# KiCad board Rogelio Pineda part 2v2-AMLDC-2044B.kicad_pcb (continued)
## Routing (per net, layer and track width the routed paths; a pad name or vN(x,y) marks a point on that pad's centre or on a via; arc(x,y) is an arc through that point) (continued)
K8p4: length 55.2
  Top w0.15: UK8.4 423.79,244.7 423.95,241.88 424.01,240.61 424.47,231.9 424.8,229.61 424.89,227.33 424.87,227.02 425.09,224.29 425.28,222.81 425.44,220.71 425.9,216.88 426.44,215.55 427.21,213.99 427.97,212.92 428.42,212.38 429.22,211.51 430.62,209.84 431.21,209.21 432.18,208.16 433.11,207.31 433.44,206.8 433.89,206.11 434.28,204.74 433.91,202.84 433.3,201.99 432.94,201.48 432.15,200.51 431.29,200.11 430.12,199.51 429.48,199.17 428.8,198.44 UM8.6
K8p13: length 5.3
  Top w0.15: UK8.13 418.45,252.74 418.3,252.17 418.11,251.27 417.96,250.84 417.51,249.63 417.23,249.11 417.23,249.11 v1(417.25,249.09) 417.23,249.07 417.23,248.93
L0p3: length 80.9
  Top w0.25: UL0.3 119.13,208.89 119.18,202.53 119.89,200.65 120.24,198.96 120.3,198.89 UM0.3 119.34,195.41 115.89,193.42 113.8,191.17 UN0.13 113.75,186.67 114.38,184.29 114.25,182.12 114.25,177.11 114.41,174.88 114.28,173.24 114.36,158.91 114.36,157.43 114.91,156.64 UP0.3 114.44,151.02 114.52,141.86 114.57,140.22 UR0.3
L0p6: length 80.1
  Top w0.25: UL0.6 127.71,211.97 126.74,208.3 126.8,202.47 126.96,201.66 127.26,200.23 127.92,198.6 UM0.6 127.41,195.24 122.41,190.81 122.18,190.5 121.87,189.7 121.58,183.69 120.82,181.91 UN0.5 121.69,176.64 121.99,173.61 121.88,158.48 122.45,157.11 UP0.6 122.41,151.88 121.8,149.12 121.83,149.09 121.83,142.04 122.14,140.25 UR0.6
L0p8: length 80.6
  Top w0.25: UR0.8 124.63,149.71 124.38,152.79 124.38,159.52 UP0.8 124.6,171.38 124.28,174.49 124.31,185.62 UN0.9 123,190.08 124.6,191.47 125.85,192.44 127.96,194.04 129.28,195.93 129.34,198.96 129.3,202.17 129.61,203.46 129.93,204.18 UM0.8 130.06,207.73 129.38,210.04 129.44,216.85 129.41,219.02 UL0.8
L0p10: length 7.6
  Top w0.25: UL0.10 UL0.5
L0p11: length 78.8
  Top w0.25: UL0.11 122.33,219.38 122.01,217.59 121.78,215.57 121.88,209.23 122.35,207.93 122.65,206.54 122.84,206.35 UM0.11 122.18,203.6 121.91,203.03 121.68,202.65 121.72,196.04 121.71,196.03 121.11,194.12 118.05,189.78 UN0.11 117.35,186.47 116.83,184.71 116.68,182.04 116.79,172.97 116.85,172.91 116.95,167.36 118,163.85 UP0.11 116.88,160.69 116.9,150.86 117.03,150.31 117.2,148.71 117.9,146.95 UR0.11
L0p13: length 7.7
  Top w0.25: UL0.13 117.87,218.86 117.95,218.78 117.87,218.7 UL0.2
L1p3: length 33.6
  Top w0.15: UN1.2 151.03,182.07 151.35,182.47 151.39,183.54 151.85,184.91 152.1,187.7 152.21,189.35 152.21,192.19 152.57,193.94 152.96,195.09 UM1.3 152.82,199.11 152.46,200.11 152.28,201.08 152.18,202.23 152.18,203.02 152.2,208.03 152.28,209.01 152.57,210.8 152.86,211.77 UL1.3
L1p10: length 50.4
  Top w0.15: 161.37,179.13 161.34,179.23 ; 161.34,179.23 161.15,179.71 UN1.6 ; 161.34,179.23 161.72,178.7 162.39,178.31 163.14,178.32 163.26,178.34 163.64,178.5 ; 159.59,216 159.08,218.98 158.69,220.11 UL1.10 ; 163.64,178.5 163.51,178.45 ; 163.64,178.5 164.14,178.75 164.81,179.68 164.61,183.66 164.64,184.5 164.58,190.33 163.74,192.11 162.73,193.34 162.18,195.41 162.12,199.43 162.02,199.52 161.96,200.62 161.21,201.47 159.69,203.44 UM1.10 158.69,206.29 159.2,207.88 159.59,209.66 159.72,211.18 159.57,216.16
L1p11: length 42.1
  Top w0.15: 154.62,191.25 154.71,190.59 154.71,187.4 154.61,187.31 154.61,184.94 ; 154.61,191.18 154.69,193.84 154.61,194.41 154.83,196.89 154.74,196.98 154.74,198.94 154.54,199.29 154.51,199.36 154.51,201.66 155.05,203.13 155.81,205.08 155.33,207.11 154.94,208.08 154.76,210.55 154.69,210.62 154.69,215.61 154.58,215.72 154.69,216.26 154.76,218.44 155.58,220.42 UL1.11 ; 154.61,185.08 154.51,183.83 153.86,182.54 153.24,181.88 UN1.3
L2p3: length 30.9
  Top w0.15: 199.83,193.23 v1(199.7,193.2) 198.07,193.46 195,193.56 192.42,193.56 190.94,194.11 189.89,195.04 189.29,195.94 UM2.1 189.22,199.95 189.58,201.59 189.91,203.09 189.91,204.62 189.96,204.68 189.96,207.39 190.04,207.46 190.95,209.32 191.31,209.88 193.07,211.97 193.37,213.66 UL2.3
L2p11: length 19
  Top w0.15: 196.7,229.86 196.57,227.18 196.37,224.8 196.27,224.28 UL2.11 ; 200.03,239 v1(200,239.1) 198.26,237.37 198.26,237.27 196.99,234.72 196.69,229.66
L3p3: length 78.6
  Top w0.15: UL3.3 233.97,213.84 233.54,212.68 233.2,211.97 232.82,210.58 232.75,209.82 232.76,206.62 ; UR3.3 233.67,139.37 233.55,139.62 233.05,141.38 232.86,142.28 232.79,143.38 232.76,144.75 232.82,147.23 232.79,148.34 232.99,152.09 233.9,154.41 UP3.3 233.49,156.88 232.75,158.47 232.64,160.87 232.73,161.87 232.74,162.92 232.73,163.34 232.73,169.57 232.7,169.6 232.77,180.22 232.86,182.66 232.93,184.13 232.98,185.25 232.19,187.77 UN3.13 231.53,188.39 231.82,190.22 232.05,191 232.82,193.03 233.21,194.06 233.94,196.39 233.9,196.43 UM3.3 233.77,198.6 233.43,198.93 233.04,200.01 232.76,201.37 232.76,206.77
L3p6: length 79.2
  Top w0.15: UR3.6 241.68,137.51 241.27,138.66 241.15,139.02 240.51,142.18 240.4,143.23 240.28,144.57 240.15,148.46 240.1,149.82 240.37,151.93 240.75,153.45 UP3.6 241.62,156.08 241.07,157.08 240.54,158.86 240.28,159.89 240.11,162.45 240.19,162.87 240.25,172.61 240.29,174.34 240.21,176.71 239.92,177.56 239.75,178.51 239.45,179.3 UN3.5 239.36,182.14 239.61,182.92 239.91,183.79 240.27,184.7 240.34,184.94 240.25,185.99 240.21,187.99 240.28,189.88 240.28,189.52 240.26,193.95 240.89,195.8 UM3.6 241.52,198.14 240.88,198.58 240.37,200.34 240.34,200.37 240.27,203.09 240.18,204.14 240.28,205.8 240.22,207.38 240.21,210.41 240.97,212.38 UL3.6
L3p8: length 78.2
  Top w0.15: UR3.8 243.89,146.95 243.13,149.86 243.06,150.87 242.93,151.37 242.85,153.99 242.67,159.64 243.24,161.38 UP3.8 243.58,166.36 243.34,168.28 243,171.47 242.98,173.31 242.92,175.09 242.82,175.81 242.81,179.35 242.74,180.22 242.76,184.93 242.01,187.2 UN3.9 241.56,189.65 241.76,190.18 242.01,190.92 242.67,194.22 242.76,196.96 242.77,198.56 242.73,199.78 242.76,200.58 242.71,201 243.27,202.92 UM3.8 244.06,205.7 243.31,206.55 243.04,208.24 242.73,209.22 242.8,210.88 242.83,212.13 242.88,212.18 242.83,217.89 243.43,219.83 UL3.8
L3p10: length 7.6
  Top w0.15: UL3.5 239.07,219.42 239.05,219.44 239.07,219.46 UL3.10
L3p11: length 78.2
  Top w0.15: UR3.11 236.54,146.55 236.34,147.03 235.99,148.29 235.7,149.71 235.41,151.64 235.31,152.83 235.26,159.6 235.9,161.95 UP3.11 236.33,164.68 236.16,165.01 235.73,169.52 235.6,170.33 235.51,173.1 235.45,173.99 235.34,179 235.25,184.04 235.39,185.7 UN3.11 236.48,189.74 236.15,190.16 235.69,192.26 235.26,193.97 235.3,199.79 235.34,200.44 235.34,201.82 235.97,203.71 UM3.11 236.22,205.13 236.22,206.12 235.38,207.69 235.24,209.36 235.27,211.12 235.28,218.4 235.6,219.91 235.9,220.76 UL3.11
L3p13: length 7.7
  Top w0.15: UL3.2 231.71,216.29 231.57,219.6 231.71,221.23 UL3.13
L4p3: length 59.2
  Top w0.15: 264.12,163.56 264.04,166.09 263.9,166.32 263.67,168.96 263.24,171.09 263.13,173.45 263.2,174.84 263.32,175.43 263.56,176.77 263.76,177.62 263.9,180.52 UN4.2 263.83,181.46 264.92,183.2 265.1,184.91 265.15,185.66 265.19,186.47 265.23,190.99 265.18,191.47 265.21,192 265.37,193.65 266.06,195.56 UM4.3 266.69,197.83 266.53,198.74 267.56,201.99 267.57,206.19 267.74,206.36 267.69,207.39 267.63,207.66 267.63,210.61 267.75,211.3 268.11,214.32 267.49,216.9 267.08,218.28 266.6,220.47 UL4.3
L4p4: length 74.8
  Top w0.15: UL4.4 269.37,219.05 269.52,218.6 269.82,215.96 270.02,214.91 270.15,209.01 270.17,208.98 270.17,206.24 270.19,206.21 270.19,205.81 ; UN4.7 276.03,181.82 275.71,183 274.05,184.68 274.05,184.89 273.78,184.61 273.43,184.61 272.92,183.84 272.74,182.59 272.79,182.29 272.7,182.17 272.62,180.79 272.72,177.89 272.7,177.87 273.02,175.68 273.5,172.78 274.1,170.87 274.53,168.51 274.7,167.72 275,166.02 275.13,165.37 275.13,163.76 275.06,163.7 275.19,163.01 275.21,159.86 274.81,158.53 274.61,157.82 274.25,156.83 274.18,155.54 UP4.6 ; 270.19,206.13 270.1,205.55 270.17,202.86 269.52,199.62 269.22,198.31 UM4.4 269.44,196.17 269.82,195.76 271.33,193.82 271.91,192.86 272.47,191.63 272.64,188.91 272.57,188.63 272.68,187.28 273.28,185.94 273.37,185.58 273.93,184.76
L4p10: length 75.2
  Top w0.15: 274.44,176.37 274.01,179.23 UN4.6 ; UL4.10 272.22,227.27 272.36,226.67 272.7,225.63 272.7,217.91 272.52,215.11 272.42,212.15 272.18,210.35 272.13,208.78 271.74,206.74 UM4.10 272.06,204.03 272.82,203.38 274.02,202.15 275.07,200.13 275.12,194.61 275.12,188.22 275.09,188.19 275.16,186.12 275.68,185.18 277.36,183.88 277.8,182.71 277.74,179.97 277.68,178.91 277.68,178.8 276.95,177.66 275.41,177.1 274.55,176.64 274.48,176.32 274.69,175.09 275.09,171.33 275.52,168.94 275.86,166.43 276.03,165.83 276.15,165.02 276.42,164.45 UP4.10
L4p11: length 49.2
  Top w0.15: UL4.11 268.84,227.74 268.38,226.75 267.96,225.04 267.85,224 267.85,223.31 267.91,219.01 268.35,217.54 268.87,215.5 269.06,214.54 269.15,213.11 269.12,213.08 269.26,211.79 269.34,210.99 269.26,210.46 269.1,207.4 268.69,206.03 UM4.11 268.91,204.02 268.82,202.89 268.37,201.43 268.07,200.24 267.89,199.63 267.72,199.14 267.68,198.83 267.47,196.58 267.72,194.48 267.75,192.57 267.75,187.18 267.72,186.61 267.51,184.89 267.22,183.75 267.12,183.11 266.66,181.98 UN4.3
L4p12: length 5
  Top w0.15: 266.42,233.92 266.45,233.89 266.45,233.85 v1(266.42,233.82) 266.45,233.79 UL4.12
L4p13: length 42.4
  Top w0.15: UM4.13 263.89,205.19 264.38,208.3 264.65,209.74 264.85,210.99 265.29,212.84 265.62,215.02 265.77,216.02 265.67,217.62 265.3,219.2 265.3,224.84 265.2,225.91 265.1,226.51 264.74,227.59 UL4.13 263.91,246.28 263.91,246.28 v1(263.91,246.42) 263.77,246.42 263.7,246.49
L6p12: length 37.2
  Top w0.15: UL6.2 345.91,214.63 346.47,216.26 346.75,216.9 346.99,217.86 347.17,218.29 347.44,219.03 347.82,219.84 347.84,220.92 UL6.12 348.06,222.41 348.23,223.06 348.25,223.75 348.43,224.56 348.48,225.5 348.62,226.81 348.65,227.12 348.69,227.58 348.84,228.56 348.97,229.45 349.08,230.29 349.19,230.65 349.3,231.23 349.33,232.19 349.44,233.26 349.35,233.98 349.52,234.15 ; 349.52,234.15 349.57,234.2 v1(349.52,234.2) 349.52,234.15 ; 354.5,217.45 353.99,217.63 348.37,217.81 347.91,217.77 346.95,217.72 ; 354.5,217.45 354.35,217.05 354.16,216.48 353.84,215.83 353.61,215.03 353.41,214.82 353.26,214.35 UL6.5 ; 354.5,217.45 354.7,218.02 354.91,218.64 354.96,218.96 355.09,219.35 355.36,219.99 355.45,220.32 UL6.9
L7p1: length 17.9
  Top w0.15: UL7.1 379.73,212.06 379.99,211.12 380.49,209.67 381.02,208.62 381.47,207.37 382.1,206.14 382.38,204.97 UM7.13 381.9,203.42 380.91,200.58 380.56,199.5 380.34,198.91 380.34,198.82 380.11,198.29 UM7.1
L7p6: length 26.6
  Top w0.15: UL7.6 391.95,211.97 391.53,211.18 391.51,210.59 391.3,209.66 390.75,208.28 390.69,207.57 390.69,200.86 390.59,200.32 390.77,196.65 390.57,196.42 390.29,195.36 389.84,194.37 389.59,193.63 389.25,193.02 388.72,192.08 387.94,190.78 387.62,190.05 387.13,188.99 UN7.11
L7p10: length 16.8
  Top w0.15: 389.63,237.82 389.61,237.8 389.61,237.69 v1(389.66,237.64) 389.61,237.59 389.61,222.57 389.54,222.5 UL7.10
L7p11: length 14.6
  Top w0.15: UL7.11 387,222.55 387.23,222.78 387.23,235.4 v1(387.18,235.45) 387.23,235.5 387.23,235.53
L7p12: length 25.2
  Top w0.15: UL7.12 384.75,222.28 384.72,222.94 UK7.3
L7p13: length 11.3
  Top w0.15: UL7.13 382.24,222.78 382.72,224.36 382.72,224.89 382.85,226.47 383.03,227.77 382.95,229.09 v1(383.01,232.15) 383.11,232.18
M0p10: length 7.6
  Top w0.25: UM0.10 UM0.5
M0p13: length 7.6
  Top w0.25: UM0.2 118.01,199.44 117.95,203.35 UM0.13
M2p2: length 12.7
  Top w0.15: UM2.2 191.76,195.83 192.34,195.43 193.14,195.04 195.12,194.76 195.85,194.83 197.15,194.82 200.13,194.98 200.78,194.97 201.62,194.65 v1(202.38,194.38) 202.48,194.28
M3p10: length 7.7
  Top w0.15: UM3.5 238.98,203.29 239.04,203.35 238.98,203.42 UM3.10
M3p13: length 7.6
  Top w0.15: UM3.2 231.49,202.51 231.44,203.54 231.49,203.89 UM3.13
M5p5: length 12.4
  Top w0.15: UM5.5 308.97,197 309.12,196.28 309.46,195.49 309.55,195.29 309.81,194.97 310.53,194.18 310.96,193.84 311.22,193.6 312.08,192.92 312.72,192.47 313.55,191.94 313.94,191.63 314.54,191.08 314.79,190.84 315.28,190.28 315.39,190.16 315.97,189.55 316.12,188.63 UN5.9
M6p8: length 23.3
  Top w0.15: UN6.13 345.66,189.31 346.49,190.79 347.52,191.09 347.77,191.18 348.83,191.32 349.83,191.53 350.51,191.79 351.13,192.19 351.29,192.64 351.45,193.14 351.68,193.95 351.86,195.35 351.95,199.19 352.45,200.09 352.71,200.46 353.35,201.19 353.92,201.6 354.95,202.01 356.46,203.1 356.95,203.51 UM6.8
M6p12: length 28.5
  Top w0.15: 343.6,231.57 343.64,231.53 v1(343.64,231.46) 343.71,231.46 343.86,230.91 344.29,229.02 344.48,228.21 344.64,227.65 344.66,226.65 344.63,225.95 344.63,223.28 344.44,223.09 344.44,222.14 344.44,222.13 344.44,218.14 344.52,215.63 344.55,215.69 344.22,215.4 344.55,211.68 344.6,211.06 344.87,210.53 345.19,209.85 345.46,209.49 346.02,208.64 346.54,207.92 346.97,207.4 347.69,206.23 347.89,205.78 UM6.12
M7p3: length 39.7
  Top w0.15: UM7.3 385.17,198.38 385.63,199.35 385.88,200.44 386.08,200.84 386.41,202.31 386.8,203.05 UM7.11 386.95,206 386.78,206.45 386.61,206.91 386.32,208.56 385.91,209.91 385.66,210.49 385.47,211.51 UL7.3 384.23,213.7 384.06,214.64 383.23,215.74 382.96,216.15 381.97,217.39 381.62,218.03 380.77,219.63 380.77,222.11 380.97,222.31 380.97,222.89 381.05,222.97 381.05,233.98 381.09,234.02 v1(381.19,234.02) 381.19,234.12 381.12,234.05
M7p6: length 9.3
  Top w0.15: UM7.6 392.03,195.89 391.82,195.46 391.52,194.88 390.82,192.73 390.39,191.38 390.05,190.55 389.77,189.86 389.49,189.1 UN7.10
M7p8: length 17
  Top w0.15: UM7.8 394,203.19 393.59,202.17 393.41,201.55 393.19,201.11 393.07,200.45 392.95,199.04 393.03,198.28 393.18,195.87 393.04,194.53 393.07,193.56 393.04,192.52 392.73,191.48 392.47,190.66 392.03,189.59 UN7.9
N0p2: length 13.7
  Top w0.25: 111.88,194.07 111.85,194.04 v1(111.72,194.04) 111.72,193.91 111.71,193.91 111.7,183.82 112.76,182.03 UN0.2
N0p4: length 25.6
  Top w0.25: UN0.4 118.24,178.54 118.89,176.23 119.76,169.56 120.1,167.4 UP0.10 UP0.5
N1p4: length 13.8
  Top w0.15: 156.26,194.46 v1(156.23,194.46) 156.17,192.18 156.08,191.06 155.99,190.3 155.77,189.58 155.78,189.55 UN1.13 155.83,187.33 155.9,185.48 155.93,181.97 UN1.4
N1p7: length 36.1
  Top w0.15: UN1.7 162.75,182.33 162.31,182.83 162.14,183.14 161.43,183.75 160.91,184.34 159.89,185.15 159.77,186.34 159.46,192.11 ; 159.39,192.16 158.76,193.5 158.49,194.13 157.61,195.3 157.09,196.02 UM1.4 156.78,200.41 157.22,202.03 157.31,203 157.24,203.59 157.11,206.51 157.11,208.13 157.15,208.16 157.15,210.33 156.82,211.71 156.47,212.63 155.81,213.45 UL1.4
N2p5: length 19.6
  Top w0.15: UP2.14 191.55,164.21 191.71,165.02 192.09,166.39 193.6,169.31 C69.1 195.01,172.65 195.48,173.42 196.73,176.43 197.97,178.61 UN2.5
N2p9: length 51.4
  Top w0.15: 205.08,144.41 205.04,144.44 ; 205.04,144.44 205.04,141.29 204.72,140.65 204.37,139.6 203.79,138.33 UR2.7 ; 205.04,144.44 205.04,153.09 205.11,153.16 205.11,159.26 205.08,159.3 205.08,169.72 205.18,180.67 205.18,185.24 205.9,187.24 UN2.9
N2p10: length 52.6
  Top w0.15: UN2.10 203.35,187.61 202.91,186.08 202.61,184.88 202.49,182.89 202.51,182.79 202.58,176.63 202.7,176.52 202.63,176.45 202.56,171.47 201.68,169.8 201.05,168.5 199.99,166.46 200.01,164.54 199.85,163.78 199.9,163.73 199.9,156.16 199.85,156.11 199.94,156.02 200.13,153.42 201.12,151.2 201.86,149.51 202.49,147.14 202.49,142.19 202.35,141.21 202.1,140.19 201.72,139.11 201.25,138.42 UR2.6
N2p13: length 7.8
  Top w0.15: UN2.4 196.37,183.09 196.2,183.26 196.2,188.22 UN2.13
N2p15: length 52.2
  Top w0.15: UN2.15 191.91,187.22 192.42,183.89 192.53,183.32 192.56,178.93 192.31,177.81 192.07,176.35 190.72,172.92 189.67,168.5 189.24,166.1 189.22,161.35 189.33,155.36 190.31,153.09 190.79,151.83 191.69,150.18 192.39,147.41 192.51,146.33 192.58,143.8 192.6,143.56 192.79,140.62 193.35,139.32 193.51,137.73 UR2.3
N2p16: length 51.9
  Top w0.15: UN2.16 189.13,187.5 189.92,185.48 190.23,181.95 190.18,181.9 190.18,178.99 190.23,178.94 190.1,177.61 190.02,176.51 189.21,174.2 188.53,172.03 188.27,167.01 188.22,165.46 188.22,160.78 188.29,160.7 188.19,160.59 188.24,152.84 189.11,150.31 189.65,149.13 190,148.05 189.97,145.59 190,144.02 190,140.75 190.65,139 UR2.2
N3p1: length 13.3
  Top w0.15: 229.38,193.08 v1(229.27,193.19) 229.61,191.89 229.89,191 230.01,190.15 230.18,189.21 230.23,184.4 230.21,183.74 229.98,183.06 228.86,181.72 UN3.1
N4p12: length 52.3
  Top w0.15: UP4.2 264.24,155.75 264.31,156.85 264.73,158.24 265.15,159.23 265.41,159.58 265.41,160.23 265.99,161.39 UP4.14 266.26,163.81 266.06,164.42 266.03,165.86 265.97,166.17 265.77,168.43 265.7,168.8 265.4,170 265.28,171.15 C55.2 265.99,172.91 266.56,173.3 267.84,174.37 269.19,175.78 269.54,176.48 270.16,177.63 270.26,181 270.31,181.04 270.44,185.21 271.26,187.27 271.33,188.09 UN4.12 ; 272.53,158.34 271.96,157.22 271.67,155.57 UP4.5 ; 272.45,158.22 272.56,158.39 272.87,159.15 272.87,159.08 272.87,159.71 ; 272.87,159.71 273.23,160.38 273.41,161.03 273.44,161.19 273.66,161.48 273.84,161.87 273.99,162.73 UP4.11 ; 272.87,159.71 272.69,159.88 270.35,159.88 269.93,159.86 269.6,159.85 268.29,159.89 267.91,159.85 267.16,159.82 266.4,159.84 266.24,159.85 265.41,159.88
N4p13: length 7.9
  Top w0.15: UN4.4 269.1,180.78 269.2,185.49 ; 269.22,185.32 UN4.13
N5p1: length 13.7
  Top w0.15: UN5.1 299.1,181.7 299.31,182.38 299.56,183.2 299.66,183.93 299.85,184.93 300.15,187.46 300.01,191.48 v1(300.05,193.91) 300.05,194 300.11,193.94
N5p2: length 57.2
  Top w0.15: UR5.8 313.54,146.62 313.4,147.32 313.38,147.8 v1(313.39,149.01) 313.45,149.06 312.44,150.74 312.51,152.46 312.57,157.55 312.39,158.28 312.52,160.18 312.55,168.91 312.47,169.58 312.37,172.05 311.93,172.97 311.85,173.13 311.22,174.01 310.76,174.41 309.46,175.35 306.44,176.65 305.99,176.79 304.07,177.39 303.73,177.53 302.51,178.28 301.95,178.81 301.7,179.48 301.53,180.36 UN5.2 301.32,181.29 302.58,182.4 302.89,182.66 303.41,182.98 304.19,183.31 305.12,183.56 305.54,183.72 306.07,183.8 307.36,183.83 ; 314.82,184.6 v1(314.82,184.63) 314.26,184.49 314.03,184.46 313.24,184.32 311.22,184.1 310.35,184.1 309.6,184.01 308.82,183.98 307.32,183.83
N5p10: length 18
  Top w0.15: UN5.10 313.53,188.68 313.38,189.42 312.91,190.02 312.81,190.29 312.33,190.76 311.91,190.96 311.47,191.28 310.63,191.62 309.2,192.38 308.36,193 307.94,193.72 307.86,193.97 307.49,195.22 307.44,199.33 307.58,200.09 307.86,200.51 308.58,200.62 309.24,200.52 309.56,200.24 309.84,199.82 v1(309.86,199.8) 309.89,199.82 309.96,199.82
N5p15: length 13.2
  Top w0.15: UN5.15 301.21,186.93 301.01,186.41 300.93,185.81 300.72,185.12 300.5,183.86 300.17,182.65 299.99,177.41 299.85,176.15 v1(299.85,175.23) 299.85,175.16 299.81,175.12
N6p10: length 11.1
  Top w0.15: UN6.2 345.47,180.72 346.43,181.9 347.29,182.68 347.63,182.85 349.15,183.75 350.25,184.29 351.54,185.5 351.73,185.93 352.44,187 UN6.10
P0p13: length 7.6
  Top w0.25: UP0.13 UP0.2
P1p12: length 59.7
  Top w0.15: 155.08,157.94 155.28,157.46 155.36,156.98 ; 155.08,157.94 162.04,157.94 v1(162.06,157.97) 162.09,157.94 162.21,157.94 ; 155.08,157.94 154.42,159.84 153.99,161.25 UP1.12 152.43,160.45 152.05,159.56 151.54,157.94 151.21,156.95 UP1.2 149.9,152.98 149.52,152.25 148.78,151.01 148.13,149.95 147.9,149.47 147.37,148.61 146.86,147.24 146.91,130.22 146.84,130.15 146.84,120.11 146.76,120.03 146.84,119.95 146.84,119.93 ; 155.35,157.06 UP1.4
P1p13: length 43.9
  Top w0.15: UP1.13 149.6,159.68 148.69,157.05 148.76,156.58 UP1.1 147.85,152.31 146.92,150.66 146.5,149.36 145.78,147.11 145.53,143.99 145.5,134.33 145.65,122.92 145.6,120.03 145.63,119.93
P2p3: length 14.3
  Top w0.15: 197.23,141.46 197.3,141.53 v1(197.3,141.56) 197.33,141.56 197.43,141.66 197.43,142.58 197.46,142.61 197.46,145.85 197.43,145.89 197.43,152.28 196.92,154.2 UP2.3
P2p5: length 10.5
  Top w0.15: UP2.5 201.82,153.59 202.78,152.03 203.33,149.8 203.56,149.27 UR2.10
P2p6: length 11.2
  Top w0.15: 202.55,166.03 v1(202.53,166.08) 202.58,157.46 202.74,157.02 203.02,156.62 203.26,156.2 203.7,155.41 UP2.6
P2p11: length 21.9
  Top w0.15: 197.68,154.48 197.45,155.86 197.49,155.9 197.49,160.19 197.76,160.83 UP2.11 ; 199.91,141.81 v1(199.91,142.05) 199.91,149.99 197.65,154.4
P2p13: length 15.1
  Top w0.15: UP2.13 194.15,161.71 194.52,160.29 194.93,159.27 v1(195,148.19) 195.06,148.02
P3p10: length 7.7
  Top w0.15: UP3.5 239.08,156.67 238.86,156.89 UP3.10
P3p13: length 44.1
  Top w0.15: 231.44,154.46 UP3.2 231.55,159.78 231.53,161.51 231.46,162.39 UP3.13 ; 231.44,154.46 231.13,153.69 230.99,152.95 230.82,152.41 230.51,150.97 230.44,150.4 230.28,149.68 230.28,141.5 230.3,141.43 230.37,136.51 230.14,131.83 229.99,127.08 230.08,119.6 230.08,119.55 230.12,119.55 230.14,119.53 ; 231.44,154.46 231.35,154.12
P5p2: length 6.4
  Top w0.15: UP5.2 301.39,156.24 301.94,157.29 302.47,157.98 302.91,158.51 304.21,159.8 304.47,160.01 v1(304.76,160.43) 304.84,160.43 304.85,160.44
P5p9: length 6.9
  Top w0.15: UP5.9 311.29,163.98 311.27,164.29 310.97,169.26 311.08,169.65 v1(311.08,169.7) 311.04,169.7 311.11,169.63
P5p10: length 6.8
  Top w0.15: UP5.10 308.66,164.13 308.62,165.19 308.62,166.79 v1(308.54,169.63) 308.47,169.65
P5p12: length 6.9
  Top w0.15: UP5.12 303.81,164.31 303.94,164.85 303.84,166.58 303.74,167.1 303.66,167.92 303.66,169.65 v1(303.59,169.65) 303.59,169.72 303.64,169.68
P5p13: length 7
  Top w0.15: 301.05,169.93 301.05,169.79 v1(301.02,169.77) 301.05,169.75 301.2,165.54 301.32,164.48 301.27,164.29 UP5.13
P6p1: length 49.3
  Top w0.15: 342.91,159.16 342.89,159.19 v1(342.98,159.19) 342.98,159.1 343.18,158.9 343.18,156.18 342.88,155.88 UP6.1 342.88,154.23 343.24,153.7 343.4,152.55 343.63,151.42 344.03,148.98 344.26,148.12 344.31,147.12 344.3,146.16 344.3,141.74 344.17,141.46 344.1,140.98 343.79,139.41 343.57,138.51 343.44,138.13 343.24,137.32 UR6.1 343.52,134.9 343.87,134.13 343.89,133.4 344.18,132.32 344.25,132.04 344.25,129.15 344.3,127.55 344.25,126.31 344.21,125.38 343.95,124.17 343.66,122.78 343.53,121.37 US6.1 343.37,119.47 343.67,118.86 343.9,118.08 344.2,117.36 344.31,111.48 344.28,111.45
P6p12: length 9.2
  Top w0.15: UP6.12 347.96,162.44 348.69,161.88 349.46,160.38 350.2,159.33 350.48,158.89 351.34,157.64 352.3,156.1 UP6.5
P7p3: length 50.1
  Top w0.15: US7.3 384.78,121.83 385.56,122.95 386.05,123.68 386.74,124.76 387.44,125.81 387.78,126.55 388.06,129.74 387.99,130.13 387.99,130.94 387.51,132.04 387.35,132.39 386.5,133.11 385.88,133.7 385.48,134.02 385.18,134.32 384.77,134.73 UR7.3 384.95,137.55 385.39,138.17 385.55,138.39 385.94,138.99 386.48,139.71 387.31,141.17 387.97,142.34 388.04,147.69 387.87,148.26 387.62,149.64 387.16,150.55 386.4,151.77 385.81,152.61 385.11,153.65 384.31,154.43 UP7.3 ; US7.3 384.11,121.18 ; US7.3 384.89,118.71 385.2,118.03 385.59,116.3 385.62,110.35 385.53,110.27
P7p11: length 21
  Top w0.15: UR7.14 379.65,144.72 380.16,145.83 380.47,146.63 381.97,149.27 382.39,150.13 383.2,152 383.15,156.32 383.58,157.29 383.65,157.58 384.09,158.19 384.48,158.74 385.13,159.46 385.37,159.83 386.27,161.13 UP7.11
P7p12: length 9.4
  Top w0.15: UP7.12 384.31,161.83 382.5,160.01 382.1,159.65 381.78,159.24 381.3,158.71 380.26,157.07 380.08,156.4 UP7.1
Q1p1: length 43
  Top w0.15: Q1.2 417.61,171.32 417.97,171.79 418.96,172.82 419.99,174.09 420.46,174.94 420.74,175.54 420.91,176.23 421.34,177.17 421.98,178.5 422.39,179.21 422.75,179.94 ; R24.2 426.4,156.63 426.47,157.24 426.88,157.91 R23.1 425.86,159.71 425.01,161.47 424.82,161.94 424.14,163.56 423.6,164.74 C8.2 422.78,166.29 C9.1 419.23,169.19 419.35,169.3 419.35,170.08 Q1.1 ; R20.1 418.06,181.18 419.39,180.77 420.59,180.28 422.75,179.94 ; 422.75,179.94 423.18,179.77 423.69,179.19 425.53,178.2 R21.2
Q1p3: length 41.1
  Top w0.15: Q1.3 415.4,172.34 414.82,171.42 414.28,169.78 414.13,169.34 C9.2 412.88,163.67 R25.1 414.06,161.87 416.25,159.68 416.25,141.17 416.35,141.07 v1(416.48,141.07) 416.48,140.94 416.53,140.89 422.43,140.89
R0p13: length 56.2
  Top w0.25: 120.71,135.32 UR0.5 UR0.10 ; 120.71,135.32 120.64,135.25 113.09,135.25 ; 120.71,135.32 120.71,128.47 US0.10 US0.5 ; 113.09,135.25 UR0.2 UR0.13 ; 113.09,135.25 113.09,128.47 US0.13 US0.2
R1p4: length 26.5
  Top w0.15: 154.45,119.42 154.48,119.45 154.5,119.45 154.5,119.47 155.11,120.08 155.54,120.08 155.54,120.76 US1.4 US1.13 155.82,128.66 UR1.4 UR1.13
R1p5: length 17
  Top w0.15: US1.5 158.06,122.48 157.5,123.73 157.24,127.75 157.17,127.82 157.17,132.01 157.67,132.52 157.67,132.73 v1(157.64,132.77) 157.67,132.81 158.18,135.77 158.36,136.2 UR1.5
R2p9: length 16.4
  Top w0.15: 206.44,160.81 v1(206.32,160.96) 206.72,160.53 206.86,159.6 207.09,158.47 207.43,157.33 207.79,156.29 207.47,152.6 206.75,150.12 206.6,149.1 206.38,148.45 UR2.9
R3p10: length 24.4
  Top w0.15: US3.5 US3.10 238.82,135.95 239.08,136.2 UR3.5 238.9,140.46 238.92,141.01 UR3.10
R3p13: length 24.9
  Top w0.15: UR3.13 231.46,143.76 231.57,143.64 231.46,143.52 UR3.2 231.46,136.04 231.61,135.89 231.61,129.61 231.68,129.54 231.2,129.07 US3.13 231.67,127.9 231.67,127.5 231.64,126.77 231.55,122.95 US3.2
R4p13: length 29.4
  Top w0.15: 266.49,116.69 266.43,116.63 v1(266.43,116.73) 266.52,117.01 267.29,117.93 267.99,118.86 268.9,119.9 US4.4 US4.13 268.76,128.55 UR4.4 268.82,139.83 268.69,142.88 268.76,143.95 UR4.13
R5p1: length 6.4
  Top w0.15: 298.62,131.31 298.59,131.29 v1(298.63,131.29) 298.63,131.33 298.79,131.49 298.79,136.29 298.43,136.65 UR5.1
R5p5: length 5.7
  Top w0.15: UR5.5 308.65,136.19 307.89,135.36 307.49,135.04 307.04,134.8 306.07,134.47 305.64,134.52 305.05,134.99 v1(304.99,135.04) 305.01,134.99
R5p12: length 5
  Top w0.15: UR5.12 303.51,144.66 304.26,143.92 304.67,143.66 304.98,143.41 305.54,143.27 306.25,143 306.98,143.01 307.49,143.03 v1(307.49,143) 307.51,143 307.58,142.93
R6p12: length 9.2
  Top w0.15: UR6.12 348.66,142.58 349.19,141.87 349.51,141.21 350.37,140.19 350.67,139.49 350.75,139.49 351.61,138.26 352.35,137.06 UR6.5
R7p11: length 18.1
  Top w0.15: UR7.11 386.04,142.17 385.5,141.94 385.31,141.61 384.3,140.68 383.86,139.89 383.25,139.01 383.17,138.12 383.17,135.38 383.08,133.71 382.67,132.94 381.38,131.74 381.1,131.46 380.05,130.11 379.82,129.31 US7.14
R7p12: length 9.4
  Top w0.15: UR7.12 383.88,142.49 383.36,141.57 382.86,141.04 382.69,140.96 382.13,140.48 381.43,140.04 381.14,139.73 380.84,139.39 380.19,138.65 379.89,137.93 UR7.1
R39p1: length 5.4
  Top w0.15: R39.1 405.18,293.18 R69.2
R39p2: length 80.1
  Top w0.15: 406.05,389.06 v1(406.05,389.04) 406.07,389.04 406.24,388.87 406.6,388.05 406.91,387.45 407.07,387.11 407.38,386.31 407.81,385.19 408.39,383.62 408.78,381.63 408.66,377.52 408.61,376.81 408.61,374.73 408.53,358.03 408.19,356.85 407.9,353.86 407.86,352.83 407.92,349.95 408.36,348.82 408.88,345.77 408.91,345.11 408.95,344.32 409.07,341.13 408.88,338.21 408.69,337.26 408.35,336.4 408.16,336.17 406.85,334.56 406.64,334.03 406.07,332.05 405.96,325.45 405.97,325.14 406.05,324.69 406,323.3 405.97,321.96 405.84,320.36 405.79,319.54 405.71,318.58 405.7,317.58 405.59,314.48 405.62,313.26 405.56,311.94 R39.2
R42p2: length 53.3
  Top w0.15: R42.2 403.15,251.91 403.08,252.71 403.43,253.86 403.57,254.29 404.01,256.09 404.19,257.52 404.27,257.68 404.33,258.26 404.52,260.21 404.6,260.82 404.72,261.68 404.78,262.94 404.89,264.46 405.18,266.17 405.33,267.57 405.46,268.34 405.64,269.73 405.79,270.56 405.92,271.42 406.09,272.44 406.18,273.3 406.25,273.87 406.25,275.89 406.6,277.14 406.33,279.05 406.37,280.69 406.18,282 405.97,282.7 405.8,283.47 405.68,283.88 405.12,284.95 404.77,285.8 404.48,286.35 404.23,286.97 404.08,287.37 403.42,289.09 403.26,289.91 403.18,291.26 403.25,293.03 403.63,296.06 403.87,297.51 404.17,298.28 404.56,299.66 404.93,300.76 405.14,301.77 405.29,302.54 v1(405.26,303.28) 405.29,303.24
R79p2: length 96.1
  Top w0.15: R79.2 375.12,389.18 375.58,387.4 375.76,386.33 375.82,385.44 375.93,384.3 376.01,382.95 376.08,382.6 376.22,378.93 376.34,377.82 376.01,370.94 375.84,368.14 375.75,367.66 375.63,365.7 375.61,365.21 375.62,364.7 375.62,363.13 375.69,363.06 375.69,362.46 ; 375.69,362.46 373.86,362.46 v1(373.83,362.43) 373.8,362.46 373.77,362.46 ; 375.69,362.46 375.57,353.85 375.58,352.77 375.56,352.07 375.47,350.79 375.44,348.4 375.25,347.62 374.78,346.47 374.63,346.04 374.43,345.57 374.3,345.13 373.9,343.77 374.12,342.07 374.25,341.53 374.51,340.6 374.72,339.18 374.89,337.91 375.02,337.22 375.17,328.92 374.97,320.12 374.87,315.62 374.87,314.96 374.69,313.21 374.52,312.48 374.32,311.83 374.16,311.55 373.98,310.77 373.89,310.29 v1(373.87,310.29) 374.14,309.48 374.34,308.72 374.46,307.08 374.69,305.96 374.69,302.09 374.74,301.36 374.65,300.82 374.57,299.93 374.06,298.11 373.96,297.79 373.85,297.56 v1(373.85,297.45) 373.73,297.45 373.71,297.43
S0p8: length 9.5
  Top w0.25: 124.47,119.29 124.42,119.34 124.42,125.46 125.36,127.6 US0.8
S0p11: length 7
  Top w0.25: 117.49,127.37 117.11,125.3 116.8,120.38
S3p6: length 11.5
  Top w0.15: US3.6 241.36,119.94 240.81,119.69 240.35,118.72 240.11,117.44 239.85,116.47 239.72,112.01 239.85,109.79
S3p8: length 19.1
  Top w0.15: US3.8 243.9,128.1 243.14,127.47 242.46,124.72 242.64,119.93 242.51,119.8 242.51,119.77 242.47,119.77 ; 243.52,110.08 243.38,110.22 243.04,112.79 242.52,114.97 242.52,116.36 242.24,119.1 242.47,119.77 ; 242.47,119.77 242.41,119.7
S3p11: length 18.9
  Top w0.15: 236.15,109.97 236.15,110.86 236.29,111.76 236.34,112.94 236.51,113.65 236.67,114.4 236.74,115.88 237.01,117.17 237.24,118.99 237.41,119.91 ; 237.41,119.91 237.43,119.89 237.45,119.89 237.45,119.87 ; 237.41,119.91 237.5,123.2 237.35,125.64 236.73,127.45 236.28,127.71 US3.11
S6p12: length 9.3
  Top w0.15: US6.12 347.96,127.63 348.53,127.22 348.8,126.87 349.13,126.52 349.33,126.19 350.02,125.23 351.24,123.54 351.59,122.87 351.92,122.38 352.42,121.55 US6.5
S7p11: length 18.7
  Top w0.15: US7.11 386.49,127.17 385.65,126.45 384.78,125.31 384.13,124.5 383.48,123.64 383.3,122.97 383.01,122.05 383.04,120.19 383.13,118.92 383.07,116.81 382.73,115.61 382.15,114.6 381.36,113.23 380.46,111.37
S7p12: length 9.3
  Top w0.15: US7.12 383.85,127.23 383.32,126.33 382.51,125.17 381.67,124.4 380.81,123.56 380.46,123.26 380.2,122.84 379.98,122.13 US7.1
SPARE: length 12.7
  Top w0.15: 82.62,258.76 83.97,257.25 84.82,256.25 R56.1 ; 82.83,258.6 81.86,259.37 81.78,259.48 80.96,260.03 80.28,260.36 75.83,260.61 J1.79
TRK2: length 26.4
  Top w0.15: J1.87 80.07,247.84 81.15,247.22 81.63,246.81 81.85,246.68 82.15,246.5 82.4,246.24 83.05,245.68 83.37,245.3 84.06,244.64 84.8,243.97 85.66,242.99 86.05,242.6 87.12,241.27 87.74,240.48 87.99,240.2 90.1,237.81 91.29,236.23 91.84,235.56 92.49,234.77 92.86,234.25 93.4,233.74 93.62,233.42 93.84,233.11 94.42,232.6 ; v1(95.08,231.94) 94.33,232.68
TRK3: length 30.5
  Top w0.15: 87.2,244.12 88.82,242.41 89.44,241.69 89.55,241.53 91.92,239.35 91.92,239.32 93.01,238.24 93.62,237.64 94.37,237.15 95.09,236.82 96.67,236.16 v1(97.59,235.76) 97.61,235.78 ; J1.83 80.14,254.19 80.55,253.58 80.96,253.31 81.55,252.77 82.54,251.34 82.96,250.82 ; 87.27,244.04 86.86,244.49 85.71,246.09 85.49,246.37 84.11,248.45 82.9,250.89
TRK4: length 25.5
  Top w0.15: 93.77,229.95 v1(93.86,229.95) 93.14,230.77 92.62,231.66 92.24,232.04 91.59,233.27 91.36,233.63 91.2,233.92 90.6,234.83 90.09,235.63 89.02,237.26 88.39,238.25 86.96,240 85.95,240.91 85.11,241.77 84.05,242.87 ; J1.89 79.9,244.67 80.42,244.66 80.88,244.63 81.11,244.63 81.49,244.42 82.4,244.13 83.19,243.5 84.27,242.71
TRK6: length 21.4
  Top w0.15: 93.32,278.69 93.07,278.53 92.77,278.31 92.29,278.17 91.82,277.97 90.88,277.33 90.51,277.14 90.25,277.04 89.59,276.65 88.89,276.25 88.19,275.9 87.26,275.28 86.98,275.09 85.5,273.94 85.2,273.73 85.04,273.59 84.04,272.94 83.68,272.67 83.3,272.45 82.62,271.95 81.76,271.56 81.13,271.25 ; 81.16,271.26 80.38,270.95 J1.73 ; 94.29,279.54 v1(94.31,279.51) 94.29,279.41 93.94,279.07 93.2,278.61
WALLOUT: length 27.4
  Top w0.15: 92.72,301.57 v1(92.69,301.57) 92.72,301.32 91.95,301.14 90.85,300.11 89.72,298.91 89.45,298.39 88.67,297.33 87.13,295.3 86.36,294.36 85.61,293.26 85.08,292.38 84.66,291.7 83.91,290.49 82.95,288 82.42,286.93 82.11,286.16 81.53,284.92 80.69,283.78 80.04,282.77 J1.65
~{DCHM0}: length 142.3
  Top w0.15: v1(96.29,294.21) 96.98,292.58 97.55,291.52 98.26,288.46 98.33,287.87 98.53,286.12 98.62,285.18 98.43,283.71 98,281.5 97.8,280.71 97.63,278.48 97.64,277.4 97.61,273.22 97.6,271.44 97.63,269.78 97.63,269.32 97.55,265.45 97.26,263.43 97.01,261.75 96.81,261 96.73,258.77 96.78,257.56 97.26,256.46 97.78,255.07 98.4,253.72 99.18,251.87 99.36,251.05 99.9,249.62 100.26,248.08 100.55,247.07 100.72,245.24 100.8,244.16 100.71,241.56 100.68,240.08 100.38,237.26 100.12,235.4 99.8,231.91 99.67,230.93 99.02,226.34 98.43,223.07 98.03,220.32 97.71,218.94 97.54,217.39 96.7,213.63 96.39,210.4 96.33,209.22 96.52,208.57 96.72,206.78 97.21,203.57 97.37,201.84 97.49,201.19 97.66,199.89 97.8,196.75 97.95,195.7 97.85,192.68 97.75,191.63 97.47,189.85 96.9,188.3 96.52,187.31 94.94,183.63 94.27,182.13 94.04,181.31 93.78,180.7 93.11,178.89 93,176.48 93.1,176.14 93.27,175.63 93.47,173.4 93.44,172.66 93.33,172.21 93.03,171.48 92.38,170.86 91.27,170.17 89.41,169.86 88.81,169.73 87.62,169.63 82.11,169.83 81.83,169.86 81.29,169.83 J2.17
~{DCHP OUT}: length 8.7
  Top w0.15: J1.93 76.09,238.65 80.27,238.65 81.37,239.23 81.86,239.56 82.8,239.85 83.82,240.18 v1(83.82,240.23) 83.87,240.23 83.92,240.28
~{DCHR}: length 177
  Top w0.15: J2.35 76.63,141.27 84.61,141.15 88.84,141.44 89.86,141.64 93.41,141.86 94.81,142.21 95.98,142.59 96.49,143.48 96.55,143.7 96.73,144.6 96.67,146.36 96.56,146.93 96.55,149.37 96.35,150.68 96.23,154.13 96.04,154.82 95.8,159.23 95.93,160.09 96.22,162.15 96.49,163.26 96.63,164.22 97.2,166.99 97.2,170.55 96.62,172.81 96.11,175.32 95.85,176.25 95.74,177.09 96.22,179.59 96.86,180.75 97.29,181.96 97.95,183.3 98.59,184.71 99.55,186.77 100.06,187.93 100.32,188.72 100.68,190.3 100.88,192.05 100.63,197.97 100.48,199.4 99.97,203.19 99.72,205.3 99.5,208.3 99.35,209.73 99.36,210.26 99.37,210.73 99.5,212.29 99.72,212.88 100.1,215.56 100.43,217.07 100.76,219.26 101.08,220.54 101.4,222.69 101.65,223.94 102.18,227.97 102.41,229.65 102.74,232.11 102.92,234.09 103.38,237.26 103.36,238.65 103.56,239.54 103.62,240.4 103.79,248.14 103.69,248.24 103.69,250.64 103.69,251.1 103.59,252.74 103.6,253.27 103.43,254.1 103.18,254.83 102.83,255.83 102.36,256.96 101.68,258.09 101.56,258.26 101.12,259.26 100.83,259.72 99.88,261.98 99.66,264.63 99.6,264.7 99.48,268.25 99.46,269.72 99.42,274.71 99.44,275.88 99.42,277.99 99.32,278.69 99.52,280.38 99.94,282.82 100.06,283.58 100.34,285.25 100.21,287.53 99.99,288.38 99.83,289.86 99.56,291.68 99.46,292.94 99.21,293.9 98.75,295.13 v1(98.15,296.91)
~{INTP OUT}: length 9.5
  Top w0.15: J1.95 79.98,235.46 80.42,235.53 82.39,235.65 ; 85.07,235.72 v1(84.97,235.82) 84.27,235.78 83.71,235.71 82.3,235.64
~{INTR}: length 125.9
  Top w0.15: v1(98.99,257.33) 99.74,256.17 100.7,254.84 101.43,252.92 101.72,251 101.74,248.51 101.88,246.61 101.74,244.08 101.65,242.52 101.45,238.45 101.35,237.26 101.23,235.81 100.9,233.44 100.5,229.87 100.29,228.99 100.17,227.79 99.64,224.14 99.15,221.11 98.92,219.95 98.58,218.01 98.29,217.17 98.07,215.21 97.88,214.23 97.43,211.62 97.34,210.65 97.64,207.84 98,204.68 98.31,200.88 98.84,196.23 99.02,191.5 97.9,188.2 97.39,186.8 96.76,185.35 96.21,184.08 95.64,182.94 95.21,181.65 94.64,180.34 94.04,178.36 93.99,177.59 93.98,177.14 94.02,175.59 94.31,174.67 94.79,171.84 95,171.01 95.12,169.3 ; J2.29 76.97,150.91 91.67,150.94 93.32,151.27 93.83,151.73 94.09,152.26 94.24,153.62 94.01,155.09 93.95,157.58 93.81,158.45 94.15,162.2 94.79,164.91 ; 94.74,164.77 95.25,167.4 95.11,169.5
~{RQENB}: length 208
  Top w0.15: 101.35,277.85 101.48,281.21 102.01,282.93 102.13,285.11 102.14,286.68 101.89,288.29 101.58,289.23 101.56,292.75 101.49,293.47 101.48,295.03 100.33,299.12 99.77,300.19 97.57,303.19 96.93,304.78 96.57,306.06 96.5,306.69 96.48,308.12 96.52,309.29 96.94,315.15 v1(97.08,315.84) ; 101.36,277.95 101.56,264.5 101.58,264.29 101.84,262.4 102.61,260.5 104.55,257 105.67,254.66 105.56,240.99 105.55,240.92 105.43,237.59 105.37,236.81 105.11,234.11 104.98,233.09 104.48,229.14 104.14,226.41 103.84,224.43 103.62,223.25 102.94,219.21 102.64,217.04 101.75,212.95 101.36,211.44 101.35,210.63 101.39,207.96 101.71,205.94 101.76,205.38 101.82,204.55 102.25,198.64 102.48,196.92 102.74,191.45 102.54,190.06 102.21,187.95 101.71,186.55 100.57,184.21 99.94,182.9 99.35,181.87 98.81,180.56 98.17,179.37 97.74,178.22 97.89,175.55 98.29,174.49 98.87,170.79 99.17,169.66 99.15,168.15 98.89,165.38 98.72,163.92 98.12,161.08 97.78,160.09 97.97,156.28 98.27,152.69 98.43,151.96 98.64,143 98.64,142.25 98.74,137.8 98.76,137.85 98.77,135.9 97.78,134.44 96.7,133.67 94.12,132.94 92.49,132.9 90.77,132.7 89.5,132.68 89.12,132.62 86.04,132.59 80.75,131.91 77.49,132.38 J2.41
unconnected-(C14-Pad1): length 38.9
  Top w0.15: v1(222.54,347.9) 221.5,348.25 220.85,349.46 220.94,351.64 220.88,351.48 220.88,357.76 221.04,360.21 221.56,368.85 222.06,370.22 222.5,372.24 222.74,372.95 222.96,375.44 222.81,376.37 222.53,377.71 222.17,379.18 222.06,381.75 222.59,383.44 222.59,383.9 C14.1
unconnected-(R2-Pad2): length 19.5
  Top w0.15: v1(253.86,364.88) 253.09,365.52 252.69,366.76 252.55,368.88 252.52,369.58 252.78,372.94 252.75,374.53 252.85,375.56 252.98,377.77 253.04,379.07 253.23,379.94 253.46,381.21 253.58,381.69 253.58,383.35 R2.2
unconnected-(R3-Pad2): length 75.7
  Top w0.15: 176.97,354.4 176.96,354.39 ; 176.97,354.4 177.03,354.46 ; 176.97,354.4 177.03,354.46 ; R3.2 176.3,321.4 176.4,323.3 176.46,325.25 175.99,327.52 176.17,330.18 176.24,332.43 176.53,335.5 176.73,337.47 177.12,340.65 177.08,341.38 177.08,343.49 177.02,344.35 176.9,347.32 176.85,348.72 177.03,354.46 ; 178.15,376.05 178.15,384.73 178.13,384.75 178.13,391.37 v1(178.02,391.48) ; 177.03,354.46 177.03,357.45 177.06,357.49 177.06,360.45 176.79,361.41 176.44,362.17 175.99,362.99 175.39,364.2 175.07,365.78 175.29,366.48 175.58,367.48 176.32,369.06 177.23,371 177.94,373.15 178.23,374.95 178.15,376.14
unconnected-(R30-Pad1): length 25.9
  Top w0.15: v1(215.08,362.5) 215.72,363.35 216.29,364.52 216.74,365.75 216.89,366.15 217.09,367.26 217.04,368.63 216.81,369.08 216.25,369.98 215.95,370.53 215.41,371.13 215.19,371.43 214.92,371.62 214.58,372.14 214.4,372.43 214.14,372.78 213.9,372.99 213.9,376.28 214.17,376.97 214.53,377.61 215.04,378.14 215.48,378.52 216.31,378.95 v1(217.59,379.34) 217.61,380.15 217.53,381.79 217.54,383.3 R30.1
unconnected-(R55-Pad1): length 25.8
  Top w0.25: R55.1 105.58,261.99 108.53,256.24 108.86,239.12 109.13,238.84 ; 109.13,238.84 v2(109.13,238.79) 109.18,238.79 109.13,238.84
unconnected-(R58-Pad2): length 2
  Top w0.15: v1(183.32,388.81) 183.38,388.75 R58.2
unconnected-(R85-Pad1): length 42
  Top w0.15: 172.76,158.48 172.76,160.51 R85.1 ; 172.76,158.48 172.76,158.56 ; 172.76,158.48 172.87,154.08 173.56,149.73 173.86,148.12 174,146.99 174,119.54 173.83,119.37
unconnected-(R89-Pad2): length 6.4
  Top w0.15: v1(251.51,353.99) 251.39,353.33 251.24,352.65 250.47,349.05 R89.2
unconnected-(US2-CK-Pad8): length 6.9
  Top w0.15: US2.8 203.67,130.35 204.18,130.86 205.75,133.35 206.09,133.84 v1(206.23,134.57) 206.09,134.62
unconnected-(US2-Qh-Pad13): length 16.7
  Top w0.15: 202.33,119.29 v1(202.33,119.54) 202.33,122.19 201.62,123.54 200.95,124.23 199.8,125.02 195.98,125.48 195.17,125.8 194.57,125.88 192.67,126.86 US2.13

## Text on the board
User.Comments: Rework Wire / Here | B C D E | F G H J  K | P R S | T U V W | L M N | F G H J K | L  M N | 0   1   2   3   4   5   6   7   8
